# KiCad board BACKUP_PCB.kicad_pcb (continued)
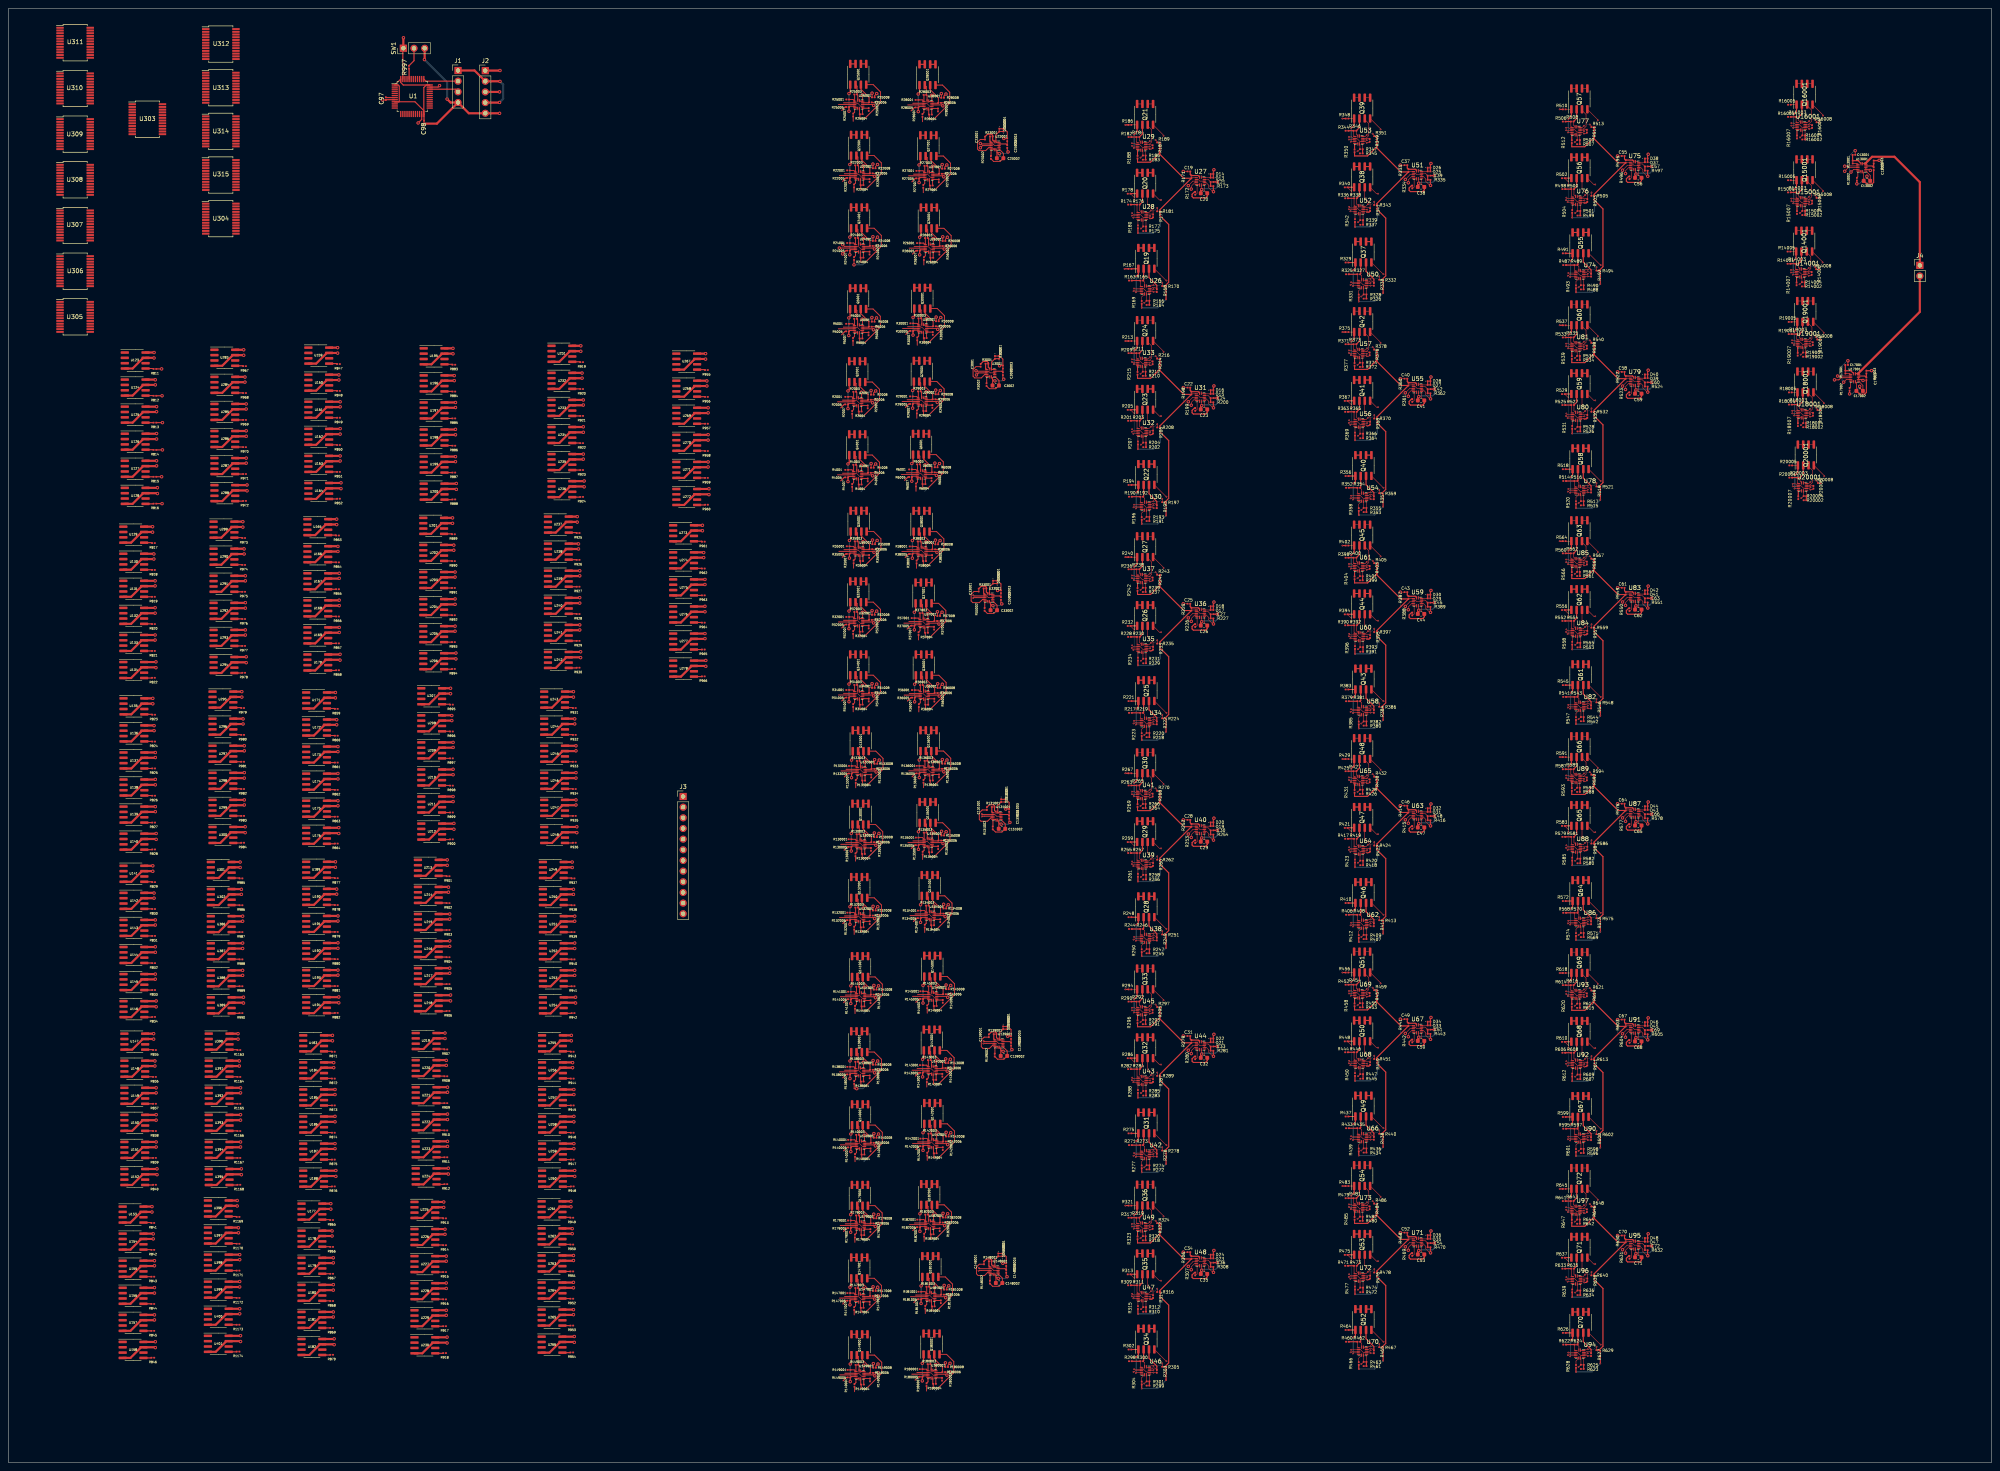
[diagram p0: board, top side]
## Placement (name value [footprint] x y rotation side) (continued)
R5004  1k  [R_0201_0603Metric]  203.09 267.85 180 top
R5005  200k  [R_0201_0603Metric]  199.89 269.55 0 top
R5006  200k  [R_0201_0603Metric]  205.29 270.65 180 top
R5007  1k  [R_0201_0603Metric]  201.19 267.65 270 top
R5008  1k  [R_0201_0603Metric]  205.99 271.85 0 top
R6001  1k  [R_0201_0603Metric]  214.89 236.65 0 top
R6002  1k  [R_0201_0603Metric]  219.89 234.25 90 top
R6003  1k  [R_0201_0603Metric]  216.79 237.85 0 top
R6004  1k  [R_0201_0603Metric]  218.09 233.15 180 top
R6005  200k  [R_0201_0603Metric]  214.89 234.85 0 top
R6006  200k  [R_0201_0603Metric]  220.29 235.95 180 top
R6007  1k  [R_0201_0603Metric]  216.19 232.95 270 top
R6008  1k  [R_0201_0603Metric]  220.99 237.15 0 top
R13001  1k  [R_0201_0603Metric]  439.31 309.9 90 top
R13002  1k  [R_0201_0603Metric]  440.31 305.8 270 top
R13003  100k  [R_0201_0603Metric]  444.31 309.9 90 top
R14001  1k  [R_0201_0603Metric]  424.14 285.65 0 top
R14002  1k  [R_0201_0603Metric]  427.54 280.25 0 top
R14003  1k  [R_0201_0603Metric]  426.04 285.65 0 top
R14004  1k  [R_0201_0603Metric]  427.54 281.25 180 top
R14005  200k  [R_0201_0603Metric]  424.14 288.55 0 top
R14006  200k  [R_0201_0603Metric]  429.54 283.35 90 top
R14007  1k  [R_0201_0603Metric]  425.94 280.85 270 top
R14008  1k  [R_0201_0603Metric]  430.94 284.35 0 top
R15001  1k  [R_0201_0603Metric]  424.24 302.65 0 top
R15002  1k  [R_0201_0603Metric]  427.64 297.25 0 top
R15003  1k  [R_0201_0603Metric]  426.14 302.65 0 top
R15004  1k  [R_0201_0603Metric]  427.64 298.25 180 top
R15005  200k  [R_0201_0603Metric]  424.24 305.55 0 top
R15006  200k  [R_0201_0603Metric]  429.64 300.35 90 top
R15007  1k  [R_0201_0603Metric]  426.04 297.85 270 top
R15008  1k  [R_0201_0603Metric]  431.04 301.35 0 top
R16001  1k  [R_0201_0603Metric]  424.24 320.65 0 top
R16002  1k  [R_0201_0603Metric]  427.64 315.25 0 top
R16003  1k  [R_0201_0603Metric]  426.14 320.65 0 top
R16004  1k  [R_0201_0603Metric]  427.64 316.25 180 top
R16005  200k  [R_0201_0603Metric]  424.24 323.55 0 top
R16006  200k  [R_0201_0603Metric]  429.64 318.35 90 top
R16007  1k  [R_0201_0603Metric]  426.04 315.85 270 top
R16008  1k  [R_0201_0603Metric]  431.04 319.35 0 top
R17001  1k  [R_0201_0603Metric]  437.57 259.84 90 top
R17002  1k  [R_0201_0603Metric]  438.57 255.74 270 top
R17003  100k  [R_0201_0603Metric]  442.57 259.84 90 top
R18001  1k  [R_0201_0603Metric]  424.46 252.1 0 top
R18002  1k  [R_0201_0603Metric]  427.86 246.7 0 top
R18003  1k  [R_0201_0603Metric]  426.36 252.1 0 top
R18004  1k  [R_0201_0603Metric]  427.86 247.7 180 top
R18005  200k  [R_0201_0603Metric]  424.46 255 0 top
R18006  200k  [R_0201_0603Metric]  429.86 249.8 90 top
R18007  1k  [R_0201_0603Metric]  426.26 247.3 270 top
R18008  1k  [R_0201_0603Metric]  431.26 250.8 0 top
R19001  1k  [R_0201_0603Metric]  424.41 268.9 0 top
R19002  1k  [R_0201_0603Metric]  427.81 263.5 0 top
R19003  1k  [R_0201_0603Metric]  426.31 268.9 0 top
R19004  1k  [R_0201_0603Metric]  427.81 264.5 180 top
R19005  200k  [R_0201_0603Metric]  424.41 271.8 0 top
R19006  200k  [R_0201_0603Metric]  429.81 266.6 90 top
R19007  1k  [R_0201_0603Metric]  426.21 264.1 270 top
R19008  1k  [R_0201_0603Metric]  431.21 267.6 0 top
R20001  1k  [R_0201_0603Metric]  424.56 234.7 0 top
R20002  1k  [R_0201_0603Metric]  427.96 229.3 0 top
R20003  1k  [R_0201_0603Metric]  426.46 234.7 0 top
R20004  1k  [R_0201_0603Metric]  427.96 230.3 180 top
R20005  200k  [R_0201_0603Metric]  424.56 237.6 0 top
R20006  200k  [R_0201_0603Metric]  429.96 232.4 90 top
R20007  1k  [R_0201_0603Metric]  426.36 229.9 270 top
R20008  1k  [R_0201_0603Metric]  431.36 233.4 0 top
R22001  1k  [R_0201_0603Metric]  200.13 307.9 0 top
R22002  1k  [R_0201_0603Metric]  205.13 305.5 90 top
R22003  1k  [R_0201_0603Metric]  202.03 309.1 0 top
R22004  1k  [R_0201_0603Metric]  203.33 304.4 180 top
R22005  200k  [R_0201_0603Metric]  200.13 306.1 0 top
R22006  200k  [R_0201_0603Metric]  205.53 307.2 180 top
R22007  1k  [R_0201_0603Metric]  201.43 304.2 270 top
R22008  1k  [R_0201_0603Metric]  206.23 308.4 0 top
R23001  1k  [R_0201_0603Metric]  234.13 316 0 top
R23002  1k  [R_0201_0603Metric]  234.03 311 270 top
R23003  100k  [R_0201_0603Metric]  237.93 315.2 90 top
R24001  1k  [R_0201_0603Metric]  200.13 290.6 0 top
R24002  1k  [R_0201_0603Metric]  205.13 288.2 90 top
R24003  1k  [R_0201_0603Metric]  202.03 291.8 0 top
R24004  1k  [R_0201_0603Metric]  203.33 287.1 180 top
R24005  200k  [R_0201_0603Metric]  200.13 288.8 0 top
R24006  200k  [R_0201_0603Metric]  205.53 289.9 180 top
R24007  1k  [R_0201_0603Metric]  201.43 286.9 270 top
R24008  1k  [R_0201_0603Metric]  206.23 291.1 0 top
R25001  1k  [R_0201_0603Metric]  199.93 324.8 0 top
R25002  1k  [R_0201_0603Metric]  204.93 322.4 90 top
R25003  1k  [R_0201_0603Metric]  201.83 326 0 top
R25004  1k  [R_0201_0603Metric]  203.13 321.3 180 top
R25005  200k  [R_0201_0603Metric]  199.93 323 0 top
R25006  200k  [R_0201_0603Metric]  205.33 324.1 180 top
R25007  1k  [R_0201_0603Metric]  201.23 321.1 270 top
R25008  1k  [R_0201_0603Metric]  206.03 325.3 0 top
R26001  1k  [R_0201_0603Metric]  216.76 290.57 0 top
R26002  1k  [R_0201_0603Metric]  221.76 288.18 90 top
R26003  1k  [R_0201_0603Metric]  218.66 291.77 0 top
R26004  1k  [R_0201_0603Metric]  219.96 287.07 180 top
R26005  200k  [R_0201_0603Metric]  216.76 288.77 0 top
R26006  200k  [R_0201_0603Metric]  222.16 289.88 180 top
R26007  1k  [R_0201_0603Metric]  218.06 286.88 270 top
R26008  1k  [R_0201_0603Metric]  222.86 291.07 0 top
R27001  1k  [R_0201_0603Metric]  216.63 307.8 0 top
R27002  1k  [R_0201_0603Metric]  221.63 305.4 90 top
R27003  1k  [R_0201_0603Metric]  218.53 309 0 top
R27004  1k  [R_0201_0603Metric]  219.83 304.3 180 top
R27005  200k  [R_0201_0603Metric]  216.63 306 0 top
R27006  200k  [R_0201_0603Metric]  222.03 307.1 180 top
R27007  1k  [R_0201_0603Metric]  217.93 304.1 270 top
R27008  1k  [R_0201_0603Metric]  222.73 308.3 0 top
R28001  1k  [R_0201_0603Metric]  216.43 324.7 0 top
R28002  1k  [R_0201_0603Metric]  221.43 322.3 90 top
R28003  1k  [R_0201_0603Metric]  218.33 325.9 0 top
R28004  1k  [R_0201_0603Metric]  219.63 321.2 180 top
R28005  200k  [R_0201_0603Metric]  216.43 322.9 0 top
R28006  200k  [R_0201_0603Metric]  221.83 324 180 top
R28007  1k  [R_0201_0603Metric]  217.73 321 270 top
R28008  1k  [R_0201_0603Metric]  222.53 325.2 0 top
R29001  1k  [R_0201_0603Metric]  215.09 254.05 0 top
R29002  1k  [R_0201_0603Metric]  220.09 251.65 90 top
R29003  1k  [R_0201_0603Metric]  216.99 255.25 0 top
R29004  1k  [R_0201_0603Metric]  218.29 250.55 180 top
R29005  200k  [R_0201_0603Metric]  215.09 252.25 0 top
R29006  200k  [R_0201_0603Metric]  220.49 253.35 180 top
R29007  1k  [R_0201_0603Metric]  216.39 250.35 270 top
R29008  1k  [R_0201_0603Metric]  221.19 254.55 0 top
R30001  1k  [R_0201_0603Metric]  215.19 271.45 0 top
R30002  1k  [R_0201_0603Metric]  220.19 269.05 90 top
R30003  1k  [R_0201_0603Metric]  217.09 272.65 0 top
R30004  1k  [R_0201_0603Metric]  218.39 267.95 180 top
R30005  200k  [R_0201_0603Metric]  215.19 269.65 0 top
R30006  200k  [R_0201_0603Metric]  220.59 270.75 180 top
R30007  1k  [R_0201_0603Metric]  216.49 267.75 270 top
R30008  1k  [R_0201_0603Metric]  221.29 271.95 0 top
R32001  1k  [R_0201_0603Metric]  199.93 201.5 0 top
R32002  1k  [R_0201_0603Metric]  204.93 199.1 90 top
R32003  1k  [R_0201_0603Metric]  201.83 202.7 0 top
R32004  1k  [R_0201_0603Metric]  203.13 198 180 top
R32005  200k  [R_0201_0603Metric]  199.93 199.7 0 top
R32006  200k  [R_0201_0603Metric]  205.33 200.8 180 top
R32007  1k  [R_0201_0603Metric]  201.23 197.8 270 top
R32008  1k  [R_0201_0603Metric]  206.03 202 0 top
R33001  1k  [R_0201_0603Metric]  232.63 208.3 0 top
R33002  1k  [R_0201_0603Metric]  232.53 203.3 270 top
R33003  100k  [R_0201_0603Metric]  236.43 207.5 90 top
R34001  1k  [R_0201_0603Metric]  199.93 184.1 0 top
R34002  1k  [R_0201_0603Metric]  204.93 181.7 90 top
R34003  1k  [R_0201_0603Metric]  201.83 185.3 0 top
R34004  1k  [R_0201_0603Metric]  203.13 180.6 180 top
R34005  200k  [R_0201_0603Metric]  199.93 182.3 0 top
R34006  200k  [R_0201_0603Metric]  205.33 183.4 180 top
R34007  1k  [R_0201_0603Metric]  201.23 180.4 270 top
R34008  1k  [R_0201_0603Metric]  206.03 184.6 0 top
R35001  1k  [R_0201_0603Metric]  200.03 218.32 0 top
R35002  1k  [R_0201_0603Metric]  205.03 215.93 90 top
R35003  1k  [R_0201_0603Metric]  201.93 219.53 0 top
R35004  1k  [R_0201_0603Metric]  203.23 214.82 180 top
R35005  200k  [R_0201_0603Metric]  200.03 216.53 0 top
R35006  200k  [R_0201_0603Metric]  205.43 217.62 180 top
R35007  1k  [R_0201_0603Metric]  201.33 214.62 270 top
R35008  1k  [R_0201_0603Metric]  206.13 218.82 0 top
R36001  1k  [R_0201_0603Metric]  215.56 184.07 0 top
R36002  1k  [R_0201_0603Metric]  220.56 181.68 90 top
R36003  1k  [R_0201_0603Metric]  217.46 185.28 0 top
R36004  1k  [R_0201_0603Metric]  218.76 180.57 180 top
R36005  200k  [R_0201_0603Metric]  215.56 182.28 0 top
R36006  200k  [R_0201_0603Metric]  220.96 183.38 180 top
R36007  1k  [R_0201_0603Metric]  216.86 180.38 270 top
R36008  1k  [R_0201_0603Metric]  221.66 184.57 0 top
R37001  1k  [R_0201_0603Metric]  215.5 201.22 0 top
R37002  1k  [R_0201_0603Metric]  220.5 198.82 90 top
R37003  1k  [R_0201_0603Metric]  217.4 202.43 0 top
R37004  1k  [R_0201_0603Metric]  218.7 197.72 180 top
R37005  200k  [R_0201_0603Metric]  215.5 199.43 0 top
R37006  200k  [R_0201_0603Metric]  220.9 200.53 180 top
R37007  1k  [R_0201_0603Metric]  216.8 197.53 270 top
R37008  1k  [R_0201_0603Metric]  221.6 201.72 0 top
R38001  1k  [R_0201_0603Metric]  215.03 218.3 0 top
R38002  1k  [R_0201_0603Metric]  220.03 215.9 90 top
R38003  1k  [R_0201_0603Metric]  216.93 219.5 0 top
R38004  1k  [R_0201_0603Metric]  218.23 214.8 180 top
R38005  200k  [R_0201_0603Metric]  215.03 216.5 0 top
R38006  200k  [R_0201_0603Metric]  220.43 217.6 180 top
R38007  1k  [R_0201_0603Metric]  216.33 214.6 270 top
R38008  1k  [R_0201_0603Metric]  221.13 218.8 0 top
R130001  1k  [R_0201_0603Metric]  200.47 148.53 0 top
R130002  1k  [R_0201_0603Metric]  205.47 146.12 90 top
R130003  1k  [R_0201_0603Metric]  202.37 149.72 0 top
R130004  1k  [R_0201_0603Metric]  203.67 145.03 180 top
R130005  200k  [R_0201_0603Metric]  200.47 146.72 0 top
R130006  200k  [R_0201_0603Metric]  205.87 147.82 180 top
R130007  1k  [R_0201_0603Metric]  201.77 144.82 270 top
R130008  1k  [R_0201_0603Metric]  206.57 149.03 0 top
R131001  1k  [R_0201_0603Metric]  234.57 156.22 0 top
R131002  1k  [R_0201_0603Metric]  234.47 151.22 270 top
R131003  100k  [R_0201_0603Metric]  238.37 155.43 90 top
R132001  1k  [R_0201_0603Metric]  200.17 131.05 0 top
R132002  1k  [R_0201_0603Metric]  205.17 128.65 90 top
R132003  1k  [R_0201_0603Metric]  202.07 132.25 0 top
R132004  1k  [R_0201_0603Metric]  203.37 127.55 180 top
R132005  200k  [R_0201_0603Metric]  200.17 129.25 0 top
R132006  200k  [R_0201_0603Metric]  205.57 130.35 180 top
R132007  1k  [R_0201_0603Metric]  201.47 127.35 270 top
R132008  1k  [R_0201_0603Metric]  206.27 131.55 0 top
R133001  1k  [R_0201_0603Metric]  200.54 166 0 top
R133002  1k  [R_0201_0603Metric]  205.54 163.6 90 top
R133003  1k  [R_0201_0603Metric]  202.44 167.2 0 top
R133004  1k  [R_0201_0603Metric]  203.74 162.5 180 top
R133005  200k  [R_0201_0603Metric]  200.54 164.2 0 top
R133006  200k  [R_0201_0603Metric]  205.94 165.3 180 top
R133007  1k  [R_0201_0603Metric]  201.84 162.3 270 top
R133008  1k  [R_0201_0603Metric]  206.64 166.5 0 top
R134001  1k  [R_0201_0603Metric]  216.97 131.53 0 top
R134002  1k  [R_0201_0603Metric]  221.97 129.12 90 top
R134003  1k  [R_0201_0603Metric]  218.87 132.72 0 top
R134004  1k  [R_0201_0603Metric]  220.17 128.03 180 top
R134005  200k  [R_0201_0603Metric]  216.97 129.72 0 top
R134006  200k  [R_0201_0603Metric]  222.37 130.82 180 top
R134007  1k  [R_0201_0603Metric]  218.27 127.82 270 top
R134008  1k  [R_0201_0603Metric]  223.07 132.03 0 top
R135001  1k  [R_0201_0603Metric]  216.47 148.93 0 top
R135002  1k  [R_0201_0603Metric]  221.47 146.53 90 top
R135003  1k  [R_0201_0603Metric]  218.37 150.12 0 top
R135004  1k  [R_0201_0603Metric]  219.67 145.43 180 top
R135005  200k  [R_0201_0603Metric]  216.47 147.12 0 top
R135006  200k  [R_0201_0603Metric]  221.87 148.22 180 top
R135007  1k  [R_0201_0603Metric]  217.77 145.22 270 top
R135008  1k  [R_0201_0603Metric]  222.57 149.43 0 top
R136001  1k  [R_0201_0603Metric]  216.67 166.03 0 top
R136002  1k  [R_0201_0603Metric]  221.67 163.62 90 top
R136003  1k  [R_0201_0603Metric]  218.57 167.22 0 top
R136004  1k  [R_0201_0603Metric]  219.87 162.53 180 top
R136005  200k  [R_0201_0603Metric]  216.67 164.22 0 top
R136006  200k  [R_0201_0603Metric]  222.07 165.32 180 top
R136007  1k  [R_0201_0603Metric]  217.97 162.32 270 top
R136008  1k  [R_0201_0603Metric]  222.77 166.53 0 top
R138001  1k  [R_0201_0603Metric]  200.17 94.3 0 top
R138002  1k  [R_0201_0603Metric]  205.17 91.9 90 top
R138003  1k  [R_0201_0603Metric]  202.07 95.5 0 top
R138004  1k  [R_0201_0603Metric]  203.37 90.8 180 top
R138005  200k  [R_0201_0603Metric]  200.17 92.5 0 top
R138006  200k  [R_0201_0603Metric]  205.57 93.6 180 top
R138007  1k  [R_0201_0603Metric]  201.47 90.6 270 top
R138008  1k  [R_0201_0603Metric]  206.27 94.8 0 top
R139001  1k  [R_0201_0603Metric]  235.04 102.1 0 top
R139002  1k  [R_0201_0603Metric]  234.94 97.1 270 top
R139003  100k  [R_0201_0603Metric]  238.84 101.3 90 top
R140001  1k  [R_0201_0603Metric]  200.37 76.9 0 top
R140002  1k  [R_0201_0603Metric]  205.37 74.5 90 top
R140003  1k  [R_0201_0603Metric]  202.27 78.1 0 top
R140004  1k  [R_0201_0603Metric]  203.57 73.4 180 top
R140005  200k  [R_0201_0603Metric]  200.37 75.1 0 top
R140006  200k  [R_0201_0603Metric]  205.77 76.2 180 top
R140007  1k  [R_0201_0603Metric]  201.67 73.2 270 top
R140008  1k  [R_0201_0603Metric]  206.47 77.4 0 top
R141001  1k  [R_0201_0603Metric]  200.37 112.2 0 top
R141002  1k  [R_0201_0603Metric]  205.37 109.8 90 top
R141003  1k  [R_0201_0603Metric]  202.27 113.4 0 top
R141004  1k  [R_0201_0603Metric]  203.57 108.7 180 top
R141005  200k  [R_0201_0603Metric]  200.37 110.4 0 top
R141006  200k  [R_0201_0603Metric]  205.77 111.5 180 top
R141007  1k  [R_0201_0603Metric]  201.67 108.5 270 top
R141008  1k  [R_0201_0603Metric]  206.47 112.7 0 top
R142001  1k  [R_0201_0603Metric]  217.57 77.2 0 top
R142002  1k  [R_0201_0603Metric]  222.57 74.8 90 top
R142003  1k  [R_0201_0603Metric]  219.47 78.4 0 top
R142004  1k  [R_0201_0603Metric]  220.77 73.7 180 top
R142005  200k  [R_0201_0603Metric]  217.57 75.4 0 top
R142006  200k  [R_0201_0603Metric]  222.97 76.5 180 top
R142007  1k  [R_0201_0603Metric]  218.87 73.5 270 top
R142008  1k  [R_0201_0603Metric]  223.67 77.7 0 top
R143001  1k  [R_0201_0603Metric]  217.47 94.7 0 top
R143002  1k  [R_0201_0603Metric]  222.47 92.3 90 top
R143003  1k  [R_0201_0603Metric]  219.37 95.9 0 top
R143004  1k  [R_0201_0603Metric]  220.67 91.2 180 top
R143005  200k  [R_0201_0603Metric]  217.47 92.9 0 top
R143006  200k  [R_0201_0603Metric]  222.87 94 180 top
R143007  1k  [R_0201_0603Metric]  218.77 91 270 top
R143008  1k  [R_0201_0603Metric]  223.57 95.2 0 top
R145001  1k  [R_0201_0603Metric]  217.57 112.3 0 top
R145002  1k  [R_0201_0603Metric]  222.57 109.9 90 top
R145003  1k  [R_0201_0603Metric]  219.47 113.5 0 top
R145004  1k  [R_0201_0603Metric]  220.77 108.8 180 top
R145005  200k  [R_0201_0603Metric]  217.57 110.5 0 top
R145006  200k  [R_0201_0603Metric]  222.97 111.6 180 top
R145007  1k  [R_0201_0603Metric]  218.87 108.6 270 top
R145008  1k  [R_0201_0603Metric]  223.67 112.8 0 top
R147001  1k  [R_0201_0603Metric]  200.17 40.39 0 top
R147002  1k  [R_0201_0603Metric]  205.17 37.99 90 top
R147003  1k  [R_0201_0603Metric]  202.07 41.59 0 top
R147004  1k  [R_0201_0603Metric]  203.37 36.89 180 top
R147005  200k  [R_0201_0603Metric]  200.17 38.59 0 top
R147006  200k  [R_0201_0603Metric]  205.57 39.69 180 top
R147007  1k  [R_0201_0603Metric]  201.47 36.69 270 top
R147008  1k  [R_0201_0603Metric]  206.27 40.89 0 top
R148001  1k  [R_0201_0603Metric]  233.88 47.99 0 top
R148002  1k  [R_0201_0603Metric]  233.78 42.99 270 top
R148003  100k  [R_0201_0603Metric]  237.68 47.19 90 top
R149001  1k  [R_0201_0603Metric]  200.23 22.09 0 top
R149002  1k  [R_0201_0603Metric]  205.23 19.69 90 top
R149003  1k  [R_0201_0603Metric]  202.13 23.29 0 top
R149004  1k  [R_0201_0603Metric]  203.43 18.59 180 top
R149005  200k  [R_0201_0603Metric]  200.23 20.29 0 top
R149006  200k  [R_0201_0603Metric]  205.63 21.39 180 top
R149007  1k  [R_0201_0603Metric]  201.53 18.39 270 top
R149008  1k  [R_0201_0603Metric]  206.33 22.59 0 top
R179001  1k  [R_0201_0603Metric]  200.33 57.69 0 top
R179002  1k  [R_0201_0603Metric]  205.33 55.29 90 top
R179003  1k  [R_0201_0603Metric]  202.23 58.89 0 top
R179004  1k  [R_0201_0603Metric]  203.53 54.19 180 top
R179005  200k  [R_0201_0603Metric]  200.33 55.89 0 top
R179006  200k  [R_0201_0603Metric]  205.73 56.99 180 top
R179007  1k  [R_0201_0603Metric]  201.63 53.99 270 top
R179008  1k  [R_0201_0603Metric]  206.43 58.19 0 top
R180001  1k  [R_0201_0603Metric]  217.4 22.27 0 top
R180002  1k  [R_0201_0603Metric]  222.4 19.87 90 top
R180003  1k  [R_0201_0603Metric]  219.3 23.47 0 top
R180004  1k  [R_0201_0603Metric]  220.6 18.77 180 top
R180005  200k  [R_0201_0603Metric]  217.4 20.47 0 top
R180006  200k  [R_0201_0603Metric]  222.8 21.57 180 top
R180007  1k  [R_0201_0603Metric]  218.7 18.57 270 top
R180008  1k  [R_0201_0603Metric]  223.5 22.77 0 top
R181001  1k  [R_0201_0603Metric]  217.1 40.72 0 top
R181002  1k  [R_0201_0603Metric]  222.1 38.32 90 top
R181003  1k  [R_0201_0603Metric]  219 41.92 0 top
R181004  1k  [R_0201_0603Metric]  220.3 37.22 180 top
R181005  200k  [R_0201_0603Metric]  217.1 38.92 0 top
R181006  200k  [R_0201_0603Metric]  222.5 40.02 180 top
R181007  1k  [R_0201_0603Metric]  218.4 37.02 270 top
R181008  1k  [R_0201_0603Metric]  223.2 41.22 0 top
R182001  1k  [R_0201_0603Metric]  216.83 57.89 0 top
R182002  1k  [R_0201_0603Metric]  221.83 55.49 90 top
R182003  1k  [R_0201_0603Metric]  218.73 59.09 0 top
R182004  1k  [R_0201_0603Metric]  220.03 54.39 180 top
R182005  200k  [R_0201_0603Metric]  216.83 56.09 0 top
R182006  200k  [R_0201_0603Metric]  222.23 57.19 180 top
R182007  1k  [R_0201_0603Metric]  218.13 54.19 270 top
R182008  1k  [R_0201_0603Metric]  222.93 58.39 0 top
SW1  SW_SPDT  [PinHeader_1x03_P2.54mm_Vertical]  94.08 337 90 top
U1  STM32F030CCTx  [LQFP-48_7x7mm_P0.5mm]  96.2 325.5 0 top
U26  TLV9004xRUCR  [Texas_S-PX2QFN-14]  270.86 279.4 0 top
U27  TLV9004xRUCR  [Texas_S-PX2QFN-14]  283.94 305.35 0 top
U28  TLV9004xRUCR  [Texas_S-PX2QFN-14]  270.06 297.05 0 top
U29  TLV9004xRUCR  [Texas_S-PX2QFN-14]  269.96 313.65 0 top
U30  TLV9004xRUCR  [Texas_S-PX2QFN-14]  270.86 227.9 0 top
U31  TLV9004xRUCR  [Texas_S-PX2QFN-14]  283.94 253.85 0 top
U32  TLV9004xRUCR  [Texas_S-PX2QFN-14]  270.06 245.55 0 top
U33  TLV9004xRUCR  [Texas_S-PX2QFN-14]  269.96 262.15 0 top
U34  TLV9004xRUCR  [Texas_S-PX2QFN-14]  270.86 176.4 0 top
U35  TLV9004xRUCR  [Texas_S-PX2QFN-14]  270.06 194.05 0 top
U36  TLV9004xRUCR  [Texas_S-PX2QFN-14]  283.94 202.35 0 top
U37  TLV9004xRUCR  [Texas_S-PX2QFN-14]  269.96 210.65 0 top
U38  TLV9004xRUCR  [Texas_S-PX2QFN-14]  270.86 124.9 0 top
U39  TLV9004xRUCR  [Texas_S-PX2QFN-14]  270.06 142.55 0 top
U40  TLV9004xRUCR  [Texas_S-PX2QFN-14]  283.94 150.85 0 top
U41  TLV9004xRUCR  [Texas_S-PX2QFN-14]  269.96 159.15 0 top
U42  TLV9004xRUCR  [Texas_S-PX2QFN-14]  270.86 73.4 0 top
U43  TLV9004xRUCR  [Texas_S-PX2QFN-14]  270.06 91.05 0 top
U44  TLV9004xRUCR  [Texas_S-PX2QFN-14]  283.94 99.35 0 top
U45  TLV9004xRUCR  [Texas_S-PX2QFN-14]  269.96 107.65 0 top
U46  TLV9004xRUCR  [Texas_S-PX2QFN-14]  270.86 21.9 0 top
U47  TLV9004xRUCR  [Texas_S-PX2QFN-14]  270.06 39.55 0 top
U48  TLV9004xRUCR  [Texas_S-PX2QFN-14]  283.94 47.85 0 top
U49  TLV9004xRUCR  [Texas_S-PX2QFN-14]  269.96 56.15 0 top
U50  TLV9004xRUCR  [Texas_S-PX2QFN-14]  322.56 280.9 0 top
U51  TLV9004xRUCR  [Texas_S-PX2QFN-14]  335.64 306.85 0 top
U52  TLV9004xRUCR  [Texas_S-PX2QFN-14]  321.76 298.55 0 top
U53  TLV9004xRUCR  [Texas_S-PX2QFN-14]  321.66 315.15 0 top
U54  TLV9004xRUCR  [Texas_S-PX2QFN-14]  322.56 230.03 0 top
U55  TLV9004xRUCR  [Texas_S-PX2QFN-14]  335.64 255.98 0 top
U56  TLV9004xRUCR  [Texas_S-PX2QFN-14]  321.76 247.68 0 top
U57  TLV9004xRUCR  [Texas_S-PX2QFN-14]  321.66 264.28 0 top
U58  TLV9004xRUCR  [Texas_S-PX2QFN-14]  322.56 179.16 0 top
U59  TLV9004xRUCR  [Texas_S-PX2QFN-14]  335.64 205.11 0 top
U60  TLV9004xRUCR  [Texas_S-PX2QFN-14]  321.76 196.81 0 top
U61  TLV9004xRUCR  [Texas_S-PX2QFN-14]  321.66 213.41 0 top
U62  TLV9004xRUCR  [Texas_S-PX2QFN-14]  322.56 128.29 0 top
U63  TLV9004xRUCR  [Texas_S-PX2QFN-14]  335.64 154.24 0 top
U64  TLV9004xRUCR  [Texas_S-PX2QFN-14]  321.76 145.94 0 top
U65  TLV9004xRUCR  [Texas_S-PX2QFN-14]  321.66 162.54 0 top
U66  TLV9004xRUCR  [Texas_S-PX2QFN-14]  322.56 77.42 0 top
U67  TLV9004xRUCR  [Texas_S-PX2QFN-14]  335.64 103.37 0 top
U68  TLV9004xRUCR  [Texas_S-PX2QFN-14]  321.76 95.07 0 top
U69  TLV9004xRUCR  [Texas_S-PX2QFN-14]  321.66 111.67 0 top
U70  TLV9004xRUCR  [Texas_S-PX2QFN-14]  322.56 26.55 0 top
U71  TLV9004xRUCR  [Texas_S-PX2QFN-14]  335.64 52.5 0 top
U72  TLV9004xRUCR  [Texas_S-PX2QFN-14]  321.76 44.2 0 top
U73  TLV9004xRUCR  [Texas_S-PX2QFN-14]  321.66 60.8 0 top
U74  TLV9004xRUCR  [Texas_S-PX2QFN-14]  374.3 283.09 0 top
U75  TLV9004xRUCR  [Texas_S-PX2QFN-14]  387.39 309.04 0 top
U76  TLV9004xRUCR  [Texas_S-PX2QFN-14]  373.5 300.74 0 top
U77  TLV9004xRUCR  [Texas_S-PX2QFN-14]  373.4 317.34 0 top
U78  TLV9004xRUCR  [Texas_S-PX2QFN-14]  374.3 231.64 0 top
U79  TLV9004xRUCR  [Texas_S-PX2QFN-14]  387.39 257.59 0 top
U80  TLV9004xRUCR  [Texas_S-PX2QFN-14]  373.5 249.29 0 top
U81  TLV9004xRUCR  [Texas_S-PX2QFN-14]  373.4 265.89 0 top
U82  TLV9004xRUCR  [Texas_S-PX2QFN-14]  374.3 180.2 0 top
U83  TLV9004xRUCR  [Texas_S-PX2QFN-14]  387.39 206.15 0 top
U84  TLV9004xRUCR  [Texas_S-PX2QFN-14]  373.5 197.85 0 top
U85  TLV9004xRUCR  [Texas_S-PX2QFN-14]  373.4 214.45 0 top
U86  TLV9004xRUCR  [Texas_S-PX2QFN-14]  374.3 128.76 0 top
U87  TLV9004xRUCR  [Texas_S-PX2QFN-14]  387.39 154.71 0 top
U88  TLV9004xRUCR  [Texas_S-PX2QFN-14]  373.5 146.41 0 top
U89  TLV9004xRUCR  [Texas_S-PX2QFN-14]  373.4 163.01 0 top
U90  TLV9004xRUCR  [Texas_S-PX2QFN-14]  374.3 77.31 0 top
U91  TLV9004xRUCR  [Texas_S-PX2QFN-14]  387.39 103.26 0 top
U92  TLV9004xRUCR  [Texas_S-PX2QFN-14]  373.5 94.96 0 top
U93  TLV9004xRUCR  [Texas_S-PX2QFN-14]  373.4 111.56 0 top
U94  TLV9004xRUCR  [Texas_S-PX2QFN-14]  374.3 25.87 0 top
U95  TLV9004xRUCR  [Texas_S-PX2QFN-14]  387.39 51.82 0 top
U96  TLV9004xRUCR  [Texas_S-PX2QFN-14]  373.5 43.52 0 top
U97  TLV9004xRUCR  [Texas_S-PX2QFN-14]  373.4 60.12 0 top
U123  MCP41050  [SOIC-8_3.9x4.9mm_P1.27mm]  30.2 262.6 0 top
U124  MCP41050  [SOIC-8_3.9x4.9mm_P1.27mm]  30.2 256.15 0 top
U125  MCP41050  [SOIC-8_3.9x4.9mm_P1.27mm]  30.2 249.7 0 top
U126  MCP41050  [SOIC-8_3.9x4.9mm_P1.27mm]  30.2 243.25 0 top
U127  MCP41050  [SOIC-8_3.9x4.9mm_P1.27mm]  30.2 236.8 0 top
U128  MCP41050  [SOIC-8_3.9x4.9mm_P1.27mm]  30.2 230.35 0 top
U129  MCP41050  [SOIC-8_3.9x4.9mm_P1.27mm]  29.85 221.1 0 top
U130  MCP41050  [SOIC-8_3.9x4.9mm_P1.27mm]  29.85 214.65 0 top
U131  MCP41050  [SOIC-8_3.9x4.9mm_P1.27mm]  29.85 208.2 0 top
U132  MCP41050  [SOIC-8_3.9x4.9mm_P1.27mm]  29.85 201.75 0 top
U133  MCP41050  [SOIC-8_3.9x4.9mm_P1.27mm]  29.85 195.3 0 top
U134  MCP41050  [SOIC-8_3.9x4.9mm_P1.27mm]  29.85 188.85 0 top
U135  MCP41050  [SOIC-8_3.9x4.9mm_P1.27mm]  29.9 180.2 0 top
U136  MCP41050  [SOIC-8_3.9x4.9mm_P1.27mm]  29.9 173.75 0 top
U137  MCP41050  [SOIC-8_3.9x4.9mm_P1.27mm]  29.9 167.3 0 top
U138  MCP41050  [SOIC-8_3.9x4.9mm_P1.27mm]  29.9 160.85 0 top
U139  MCP41050  [SOIC-8_3.9x4.9mm_P1.27mm]  29.9 154.4 0 top
U140  MCP41050  [SOIC-8_3.9x4.9mm_P1.27mm]  29.9 147.95 0 top
U141  MCP41050  [SOIC-8_3.9x4.9mm_P1.27mm]  29.9 140.3 0 top
U142  MCP41050  [SOIC-8_3.9x4.9mm_P1.27mm]  29.9 133.85 0 top
U143  MCP41050  [SOIC-8_3.9x4.9mm_P1.27mm]  29.9 127.4 0 top
U144  MCP41050  [SOIC-8_3.9x4.9mm_P1.27mm]  29.9 120.95 0 top
U145  MCP41050  [SOIC-8_3.9x4.9mm_P1.27mm]  29.9 114.5 0 top
U146  MCP41050  [SOIC-8_3.9x4.9mm_P1.27mm]  29.9 108.05 0 top
U147  MCP41050  [SOIC-8_3.9x4.9mm_P1.27mm]  30.1 100.3 0 top
U148  MCP41050  [SOIC-8_3.9x4.9mm_P1.27mm]  30.1 93.85 0 top
U149  MCP41050  [SOIC-8_3.9x4.9mm_P1.27mm]  30.1 87.4 0 top